# Altium PCB ROS-Robot-Controller焊接.PcbDoc (part 2 of 2)
Units mil, origin at the board's own origin, x right, y up, seen from the top; angles counter-clockwise.
Board outline 1972.2 x 2530.91 mil, 2 copper layers (Top Layer, Bottom Layer); 82 components, 85 nets, 425 pads, 289 vias.
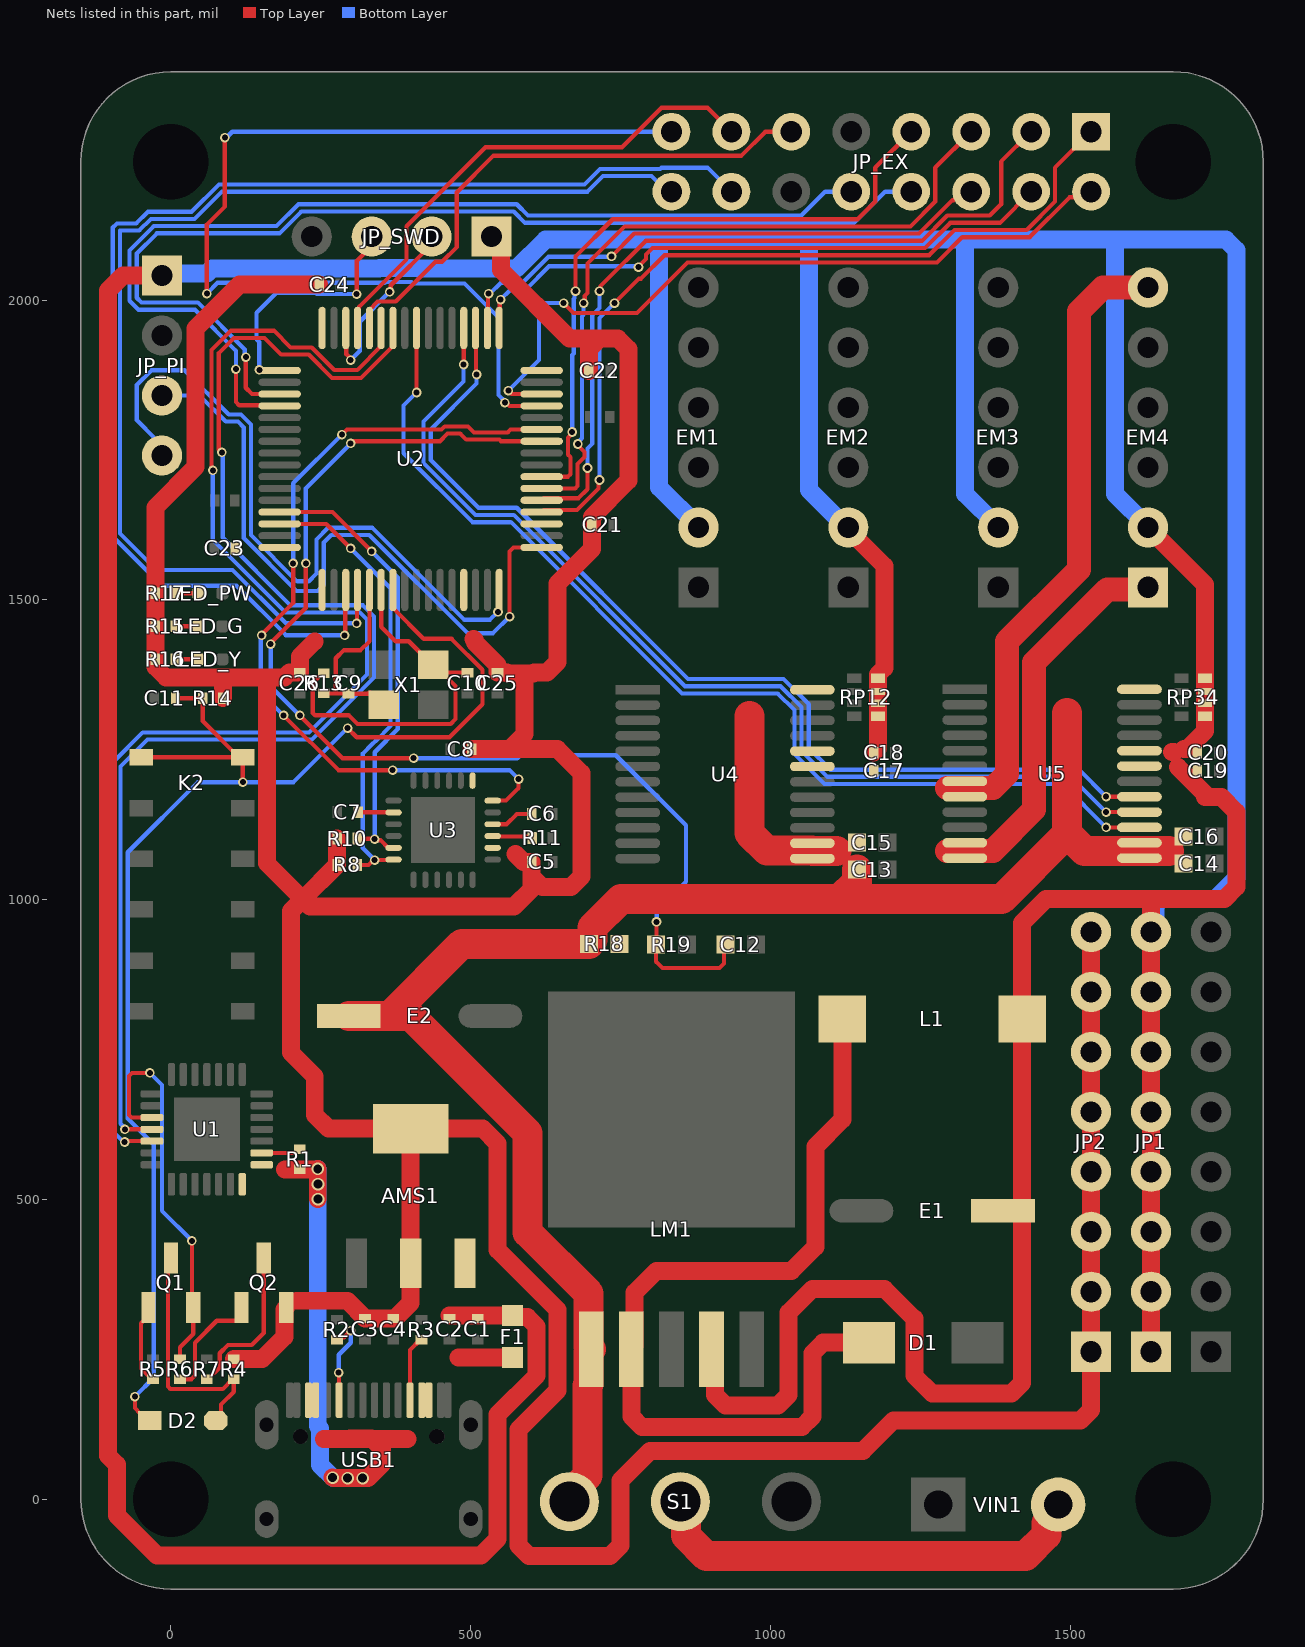
[diagram p2: the nets of this part, all layers, seen from the top]

## Via types
v1: diameter 16, hole 10, Top Layer to Bottom Layer, tented both sides, 181 vias
v2: diameter 24, hole 12, Top Layer to Bottom Layer, tented both sides, 102 vias
v3: diameter 21, hole 15, Top Layer to Bottom Layer, tented both sides, 6 vias

## Nets (pads, with @x,y where several pads share a name; then routed paths per layer and width w, separated by ;. In a path a pad name is that pad's centre, name@x,y a point inside that pad or via, vN(x,y) a via of type N, cw(c..) or ccw(c..) an arc to the next point about the centre after c; other vN are vias at no path point) (continued)
M4IN1: U2.35 U5.17 | length 1710.2
  Top Layer w7: U2.35@508.27,1953.5 509.13,1952.64 509.13,1876.77 v1(510,1875.91) ; v1(1560,1171.61) U5.17@1615.67,1171.61
  Bottom Layer w7: v1(510,1875.91) 510,1860.91 433.5,1784.41 433.5,1733.38 513.28,1653.6 577.02,1653.6 862.7,1367.91 1022.09,1367.91 1064,1325.99 1064,1252.88 1100.09,1216.8 1514.82,1216.8 v1(1560,1171.61)
M4IN2: U2.36 U5.16 | length 1731.1
  Top Layer w7: v1(488.33,1892.57) 488.58,1892.82 U2.36@488.58,1953.5 ; v1(1560,1146.02) U5.16@1615.67,1146.02
  Bottom Layer w7: v1(488.33,1892.57) 488.33,1864.24 421.5,1797.41 421.5,1728.41 508.31,1641.6 572.04,1641.6 857.73,1355.91 1017.12,1355.91 1052,1321.02 1052,1247.91 1095.12,1204.8 1501.23,1204.8 v1(1560,1146.02)
M4OUT1: EM4.1 U5.11 U5.12 | length 660.7
  Top Layer w40: 1295,1080.91 1324.33,1080.91 1324.8,1081.38 1370.97,1081.38 1440,1150.41 1440,1395.21 1561.95,1517.17 1626.26,1517.17 EM4.1@1630,1520.91
M4OUT2: EM4.6 U5.7 U5.8 | length 1062.5
  Top Layer w40: 1295,1185.91 1371.57,1185.91 1395,1209.34 1395,1430.91 1515,1550.91 1515,1980.91 1555,2020.91 EM4.6@1630,2020.91
M4PWM: U2.40 U5.15 | length 1746.7
  Top Layer w7: U2.40@409.84,1953.5 409.92,1953.43 409.92,1845.98 v1(410,1845.91) ; v1(1560,1120.43) U5.15@1615.67,1120.43
  Bottom Layer w7: v1(410,1845.91) 388.28,1824.19 388.28,1744.66 503.34,1629.6 567.07,1629.6 852.76,1343.91 1012.15,1343.91 1040,1316.05 1040,1242.94 1090.15,1192.8 1487.64,1192.8 v1(1560,1120.43)
MPU6050_INT: U2.27 U3.12 | length 1388.2
  Top Layer w7: v1(151.5,1440.91) 151.5,1442.41 204,1494.91 v1(204,1560.91) ; v1(188,1307.41) 279.5,1215.91 v1(370,1215.91) ; v1(285.15,1775.75) 293.61,1784.21 451.5,1784.21 456.69,1789.41 495.59,1789.41 505.59,1779.41 561.83,1779.41 566.64,1784.21 U2.27@618.5,1784.21 ; U3.12@536.77,1165.12 559.21,1165.12 580,1185.91 v1(580,1200.91)
  Bottom Layer w7: v1(151.5,1440.91) 150,1439.41 150,1345.41 v1(188,1307.41) ; v1(204,1560.91) 204,1694.6 v1(285.15,1775.75) ; v1(370,1215.91) 565,1215.91 v1(580,1200.91)
MPU6050_SCL: R10.1 U2.61 U3.23 | length 761.7
  Top Layer w7: U2.61@181.5,1646.42 269.49,1646.42 v1(335,1580.91) ; R10.1@310.75,1101.93 311.26,1101.42 339.49,1101.42 341.72,1099.18 349.75,1099.18 362.56,1086.38 U3.23@371.42,1086.38
  Bottom Layer w7: v1(335,1580.91) 378.51,1537.39 378.51,1284.42 340,1245.91 v1(340,1100.91)
MPU6050_SDA: R8.1 U2.62 U3.24 | length 775.2
  Top Layer w7: U2.62@181.5,1626.73 259.17,1626.73 v1(300,1585.91) ; R8.1@310.75,1057.95 329.61,1057.95 337.56,1065.91 v1(340,1065.91) 340.39,1066.3 371.02,1066.3 U3.24@371.42,1066.69
  Bottom Layer w7: v1(300,1585.91) 366.51,1519.39 366.51,1289.39 342.03,1264.91 341.29,1264.91 335,1258.61 320.23,1243.84 320.23,1225.92 320,1225.69 320,1085.91 v1(340,1065.91)
NetC6_2: C6.2 U3.10 | length 72.3
  Top Layer w7: U3.10@536.77,1125.75 559.84,1125.75 577.05,1142.95 C6.2@601.93,1142.95
NetC7_1: C7.1 U3.20 | length 58.9
  Top Layer w7: C7.1@312.72,1145.9 312.95,1145.67 371.18,1145.67 U3.20@371.42,1145.43
NetD1_2: D1.2 L1.1 LM1.2 | length 1464.9
  Top Layer w30: L1.1@1120,800.91 1120,633.41 1075,588.41 1075,420.91 1035,380.91 810,380.91 773.74,344.64 773.74,255.67 LM1.2@768.07,250 768.07,137.57 785.64,120 1052.43,120 1070,137.57 1070,243.33 1087.57,260.91 D1.2@1164.45,260.91
NetD2_2: D2.2 Q1.3 R4.2 | length 416.5
  Top Layer w7: Q1.3@0,402.24 -5,397.24 -5,187.8 -0.9,183.7 86.66,183.7 103.03,200.08 R4.2@105,200.08 105,179.19 83.43,157.62 83.43,139.22 D2.2@75.12,130.91
NetLED_G_1: LED_G.1 R15.1 | length 38.3
  Top Layer w7: R15.1@7.56,1455.91 LED_G.1@45.83,1455.91
NetLED_PW_1: LED_PW.1 R17.1 | length 38.3
  Top Layer w7: R17.1@7.56,1510.91 LED_PW.1@45.83,1510.91
NetLED_Y_1: LED_Y.1 R16.1 | length 38.3
  Top Layer w7: R16.1@7.56,1400.91 LED_Y.1@45.83,1400.91
NetQ1_1: Q1.1 R5.2 | length 134.3
  Top Layer w7: Q1.1@-37.4,319.57 -37.4,305.79 -45.71,297.48 -45.9,297.48 -50,293.37 -50,218.11 -31.97,200.08 R5.2@-30,200.08
NetQ2_1: Q2.1 R6.2 | length 192.4
  Top Layer w7: R6.2@15,200.08 34.17,200.08 40,205.91 40,260.91 76.57,297.48 109.29,297.48 117.6,305.79 Q2.1@117.6,319.57
NetQ2_3: Q2.3 R7.1 | length 265.9
  Top Layer w7: R7.1@60,200.08 61.97,200.08 81.5,219.61 81.5,243.28 95.27,257.04 135,257.04 155,277.04 Q2.3@155,402.24
NetR1_1: R1.1 U1.9 | length 66
  Top Layer w7: U1.9@151.5,577.44 206.93,577.44 213.03,583.54 R1.1@215,583.54
NetR2_2: R2.2 USB1.A5 | length 153.6
  Top Layer w7: R2.2@277,265.91 281.26,270.17 289.26,270.17 v1(300,280.91) ; v1(280,210.91) 280.39,210.51 280.39,165.51 USB1.A5@280.79,165.12
  Bottom Layer w7: v1(280,210.91) 280,240.91 300,260.91 v1(300,280.91)
NetR3_2: R3.2 USB1.B5 | length 109.9
  Top Layer w7: USB1.B5@398.9,165.12 398.9,248.77 416.04,265.91 R3.2@418.01,265.91
NetR11_2: R11.2 U3.9 | length 67.4
  Top Layer w7: U3.9@536.77,1106.06 537.32,1105.52 600.34,1105.52 R11.2@602.91,1102.95
NetS1_2: S1.2 VIN1.2 | length 746.5
  Top Layer w50: S1.2@849.96,-4.09 859.23,-13.28 859.23,-60.93 893.3,-95 1425.42,-95 1460.62,-59.8 1460.62,-39.45 1485,-15.07 VIN1.2@1485,-14.09
OSCIN: C9.1 R13.2 U2.5 X1.3 | length 348.3
  Top Layer w7: R13.2@260,1344.17 260.36,1343.82 275,1343.82 278.17,1343.82 ; X1.3@330.78,1345.12 332.91,1345.12 333.5,1344.53 X1.3@333.5,1343.46 ; U2.5@331.1,1516.5 331.1,1430.88 316.34,1416.12 288.55,1416.12 275,1402.57 275,1346.99 278.17,1343.82 ; X1.3@355,1325 X1.3@353.03,1325 ; 278.17,1343.82 295.98,1343.82 C9.1@296.34,1343.46 X1.3@333.5,1343.46 ; X1.3@333.5,1343.46 333.5,1342.4 350.91,1325 X1.3@353.03,1325 ; X1.3@333.5,1343.46 334.57,1343.46 X1.3@353.03,1325
OSCOUT: C10.1 R13.1 U2.6 X1.1 | length 648.3
  Top Layer w7: R13.1@255,1377.64 253.03,1377.64 236.66,1361.26 236.66,1311.51 240.76,1307.41 296.83,1307.41 311.36,1292.88 466.79,1292.88 475,1301.09 475,1356.58 X1.1@452.95,1378.62 ; U2.6@350.79,1516.5 350.79,1455.12 375,1430.91 396.73,1430.91 435.71,1391.93 439.65,1391.93 X1.1@452.95,1378.62 ; C10.1@495,1378.62 X1.1@452.95,1378.62
PA4: JP_EX.1 U2.20 | length 1377.9
  Top Layer w7: U2.20@618.5,1646.42 622,1649.92 677.32,1649.92 713.28,1685.88 713.28,1698.28 v1(715,1700) ; v1(740,1995) 780.8,2035.8 784.13,2035.8 823.21,2074.87 1264.87,2074.87 1306.91,2116.91 1427.57,2116.91 1475,2164.34 1475,2220.9 JP_EX.1@1535,2280.91
  Bottom Layer w7: v1(715,1700) 715,1970 v1(740,1995)
PA5: JP_EX.3 U2.21 | length 1298.4
  Top Layer w7: U2.21@618.5,1666.1 622,1669.6 680.03,1669.6 695,1684.57 v1(695,1720) ; v1(715,2015) 716.72,2016.72 716.72,2023.39 724.31,2030.98 792.2,2098.87 1252.97,2098.87 1295,2140.91 1365.91,2140.91 1385,2160 1385,2230.91 JP_EX.3@1435,2280.91
  Bottom Layer w7: v1(695,1720) 695,1752.73 703,1760.73 703,1974.97 715,1986.97 v1(715,2015)
PA6: JP_EX.5 U2.22 | length 1213
  Top Layer w7: U2.22@618.5,1685.79 674.4,1685.79 678.5,1689.89 678.5,1726.83 690,1738.33 690,1746.5 678.94,1757.56 v1(678.94,1760) ; v1(688.5,1995) 690.22,1996.72 690.22,2006.89 695,2011.67 695,2060.91 756.97,2122.87 1233.53,2122.87 1275,2164.34 1275,2220.9 JP_EX.5@1335,2280.91
  Bottom Layer w7: v1(678.94,1760) 678.94,1762.44 686,1769.5 686,1973 688.5,1975.5 v1(688.5,1995)
PA7: JP_EX.7 U2.23 | length 1099.2
  Top Layer w7: U2.23@618.5,1705.47 662.4,1705.47 666.5,1709.57 666.5,1738.01 662.44,1742.07 662.44,1770.5 669.5,1777.56 v1(669.5,1780) ; v1(675,2015) 675,2072.88 736.99,2134.87 1145.53,2134.87 1175,2164.34 1175,2220.9 JP_EX.7@1235,2280.91
  Bottom Layer w7: v1(669.5,1780) 669.5,1908.38 672,1910.88 672,2001.83 673.28,2003.11 673.28,2013.28 v1(675,2015)
PA11: JP_EX.11 U2.44 | length 910.7
  Top Layer w7: U2.44@331.1,1953.5 331.1,1983.72 344.82,1997.44 375.04,1997.44 441.54,2063.94 452.38,2063.94 476.96,2088.52 476.96,2179.84 538.03,2240.91 951.57,2240.91 991.56,2280.91 JP_EX.11@1035,2280.91
PA12: JP_EX.13 U2.45 | length 844
  Top Layer w7: U2.45@311.42,1953.5 311.42,1984.33 313.82,1986.74 313.82,1988.82 393.04,2068.04 393.04,2123.29 417.62,2147.87 524.75,2255 752.53,2255 818.43,2320.9 895,2320.9 JP_EX.13@935,2280.91
PB10: JP_EX.15 U2.29 | length 1751
  Top Layer w7: v1(60,2010.91) 60,2125.91 90,2155.91 v1(90,2270.91) ; v1(557,1828.91) 559.44,1828.91 564.76,1823.58 U2.29@618.5,1823.58
  Bottom Layer w7: v1(60,2010.91) 78.04,2028.94 356.67,2028.94 358.17,2030.44 401.62,2030.44 404.15,2027.92 489.65,2027.92 546.5,1971.07 546.5,1841.84 557,1831.34 v1(557,1828.91) ; v1(90,2270.91) 92.44,2270.91 102.44,2280.91 JP_EX.15@835,2280.91
PB11: JP_EX.2 U2.30 | length 1231.2
  Top Layer w7: v1(563.1,1849) 563.1,1848.07 567.9,1843.27 U2.30@618.5,1843.27 ; v1(655,1995) 671.5,1978.5 777.59,1978.5 811.66,2012.56 861.97,2062.87 1277.87,2062.87 1319.91,2104.91 1432.54,2104.91 1499.07,2171.44 1525.54,2171.44 JP_EX.2@1535,2180.91
  Bottom Layer w7: v1(563.1,1849) 614.05,1899.95 614.05,1984.95 624.09,1995 v1(655,1995)
PB12: JP_EX.4 U2.33 | length 1014
  Top Layer w7: U2.33@547.64,1953.5 548.56,1954.42 548.56,1999.46 v1(550,2000.91) ; v1(780,2055) 780,2055.9 792.63,2068.53 792.63,2075.96 803.54,2086.87 1257.94,2086.87 1299.97,2128.91 1383,2128.91 JP_EX.4@1435,2180.91
  Bottom Layer w7: v1(550,2000.91) 566.04,2016.94 591.45,2016.94 630.92,2056.41 778.59,2056.41 v1(780,2055)
PB13: JP_EX.6 U2.34 | length 933.7
  Top Layer w7: U2.34@527.95,1953.5 528.87,1954.42 528.87,2009.78 v1(530,2010.91) ; v1(735,2072.91) 772.96,2110.87 1247.99,2110.87 1303.82,2166.7 1305.64,2166.7 1319.85,2180.91 JP_EX.6@1335,2180.91
  Bottom Layer w7: v1(530,2010.91) 532.44,2010.91 550.47,2028.94 586.48,2028.94 629.95,2072.41 734.5,2072.41 v1(735,2072.91)
PC10: JP_EX.8 U2.51 | length 1765.7
  Top Layer w7: v1(125,1905) 125,1853.83 135.56,1843.27 U2.51@181.5,1843.27
  Bottom Layer w7: v1(125,1905) 123.28,1906.72 123.28,1917.6 44.97,1995.91 -48.95,1995.91 -56.96,2003.92 -56.96,2077.89 -23.44,2111.41 181.16,2111.41 217.62,2147.87 571.99,2147.87 590.95,2128.91 1139.57,2128.91 1191.56,2180.91 JP_EX.8@1235,2180.91
PC11: JP_EX.10 U2.52 | length 1717.3
  Top Layer w7: v1(108.5,1885) 108.5,1830.1 114.1,1824.5 180.58,1824.5 U2.52@181.5,1823.58
  Bottom Layer w7: v1(108.5,1885) 108.5,1915.41 40,1983.91 -53.92,1983.91 -68.96,1998.95 -68.96,2082.86 -28.41,2123.41 176.19,2123.41 212.65,2159.87 576.96,2159.87 595.92,2140.91 1051.57,2140.91 1091.56,2180.91 JP_EX.10@1135,2180.91
PC14: JP_EX.14 U2.3 | length 2136.6
  Top Layer w7: v1(290,1440.91) 290.87,1441.77 290.87,1515.63 U2.3@291.73,1516.5
  Bottom Layer w7: v1(290,1440.91) 289.78,1441.13 191.73,1441.13 109.33,1523.53 -14.6,1523.53 -97,1605.94 -97,2120.88 -89.97,2127.91 -57.86,2127.91 -38.35,2147.41 34.58,2147.41 80.08,2192.91 690.03,2192.91 716.03,2218.91 816.44,2218.91 818.43,2220.9 895,2220.9 JP_EX.14@935,2180.91
PC15: JP_EX.16 U2.4 | length 1986.8
  Top Layer w7: v1(310,1460.91) 310.71,1461.61 310.71,1515.79 U2.4@311.42,1516.5
  Bottom Layer w7: v1(310,1460.91) 192.12,1460.91 103.03,1550 -24.09,1550 -85,1610.91 -85,2115.91 -52.89,2115.91 -33.38,2135.41 39.55,2135.41 85.05,2180.91 695,2180.91 721,2206.91 801.61,2206.91 827.61,2180.91 JP_EX.16@835,2180.91
RESET: C11.2 D2.1 K2.1 K2.2 R14.1 U2.7 | length 2351.8
  Top Layer w7: v1(-60,170.91) -60,151.85 -51.3,143.15 -39.06,130.91 D2.1@-35.12,130.91 ; K2.1@-49.64,1237.32 K2.2@113.74,1237.32 ; C11.2@7.71,1335.9 R14.1@53.27,1335.91 53.27,1297.8 K2.2@113.74,1237.32 ; K2.2@119.65,1229.74 120.48,1229.74 120,1229.27 v1(120,1195.91) ; K2.2@119.65,1237.32 K2.2@113.74,1237.32 ; v1(294.75,1286.15) 310,1270.91 465,1270.91 520,1325.91 520,1383.36 468.36,1435 421.75,1435 370.47,1486.28 U2.7@370.47,1516.5
  Bottom Layer w7: v1(-60,170.91) -28.5,202.41 -28.5,591.62 -71.95,635.07 -71.95,1078.96 45,1195.91 v1(120,1195.91) 204.5,1195.91 v1(294.75,1286.15)
RTS: Q1.2 R6.1 U1.24 | length 659
  Top Layer w7: v1(-35,710.91) -65,710.91 -70,705.91 -70,640.91 -65.59,636.5 U1.24@-31.5,636.5 ; R6.1@15,233.54 15,253.33 37.4,275.73 Q1.2@37.4,319.57 35,321.97 v1(35,430.91)
  Bottom Layer w7: v1(-35,710.91) -15,690.91 -15,480.91 v1(35,430.91)
SWCLK: JP_SWD.3 U2.49 | length 419.8
  Top Layer w7: v1(147.45,1883.56) 148.37,1882.64 U2.49@181.5,1882.64 ; v1(310,2010) 310,2065.29 335,2090.29 JP_SWD.3@335,2105.91
  Bottom Layer w7: v1(147.45,1883.56) 147.45,1930.22 143,1934.67 143,1978.91 176.54,2012.44 240.83,2012.44 243.27,2010 v1(310,2010)
SWDIO: JP_SWD.2 U2.46 | length 318.8
  Top Layer w7: U2.46@291.73,1953.5 292.65,1952.58 292.65,1909.78 300,1902.44 v1(300,1900) ; v1(365,2013.94) 366.72,2015.66 366.72,2024.75 435,2093.03 JP_SWD.2@435,2105.91
  Bottom Layer w7: v1(300,1900) 315,1915 315,1963.94 v1(365,2013.94)
USART1_RX_DEBUG: U1.26 U2.43 | length 2274.1
  Top Layer w7: v1(-77,595.67) -75.55,597.13 U1.26@-31.5,597.13 U1.26@-21.5,597.13 ; v1(70,1715.91) 68,1717.91 68,1905.88 68,1916.94 100.06,1949 111.12,1949 171.91,1949 199.86,1921.04 234.92,1921.04 272.47,1883.5 311,1883.5 350.79,1923.29 U2.43@350.79,1953.5
  Bottom Layer w7: v1(-77,595.67) -79.22,595.67 -95.95,612.4 -95.95,1229.96 -47,1278.91 230.23,1278.91 327,1375.68 327,1467.24 315.33,1478.91 191.09,1478.91 70,1600 v1(70,1715.91)
USART1_TX_DEBUG: U1.25 U2.42 | length 2248.3
  Top Layer w7: v1(-76.88,616.67) -76.75,616.81 U1.25@-31.5,616.81 U1.25@-21.5,616.81 ; v1(85,1745.91) 80,1750.91 80,1900.91 80,1911.97 105.03,1937 116.09,1937 156.07,1937 184.02,1909.04 229.95,1909.04 269,1870 317.18,1870 370.47,1923.29 U2.42@370.47,1953.5
  Bottom Layer w7: v1(-76.88,616.67) -76.88,619.11 -83.95,626.17 -83.95,1221.96 -39,1266.91 235.2,1266.91 339,1370.71 339,1472.21 320.3,1490.91 199.75,1490.91 86.5,1604.16 86.5,1744.41 v1(85,1745.91)
USART2_RX_PI: JP_PI.3 U2.17 | length 1147.8
  Top Layer w7: v1(565,1471.91) 565,1580.91 571.46,1587.36 U2.17@618.5,1587.36
  Bottom Layer w7: JP_PI.3@-15,1840.91 48.03,1840.91 91.53,1797.41 111.83,1797.41 121.5,1787.74 121.5,1603.1 209.69,1514.91 244.76,1514.91 255,1525.14 255,1595.91 267.5,1608.41 330.83,1608.41 494.78,1444.46 537.55,1444.46 v1(565,1471.91)
USART2_TX_PI: JP_PI.4 U2.16 | length 1178.2
  Top Layer w7: v1(545.61,1479.97) 546.72,1481.08 546.72,1515.58 U2.16@547.64,1516.5
  Bottom Layer w7: JP_PI.4@-15,1740.91 -26.47,1752.37 -26.47,1769.37 -56.96,1799.87 -56.96,1858.29 -32.38,1882.87 23.03,1882.87 96.5,1809.41 116.81,1809.41 133.5,1792.71 133.5,1608.07 210.67,1530.91 230,1530.91 243,1543.91 243,1600.88 262.53,1620.41 335.8,1620.41 489.25,1466.96 532.46,1466.96 545.48,1479.97 v1(545.61,1479.97)
USB_5V: F1.1 R1.2 U1.7 U1.8 USB1.A4 USB1.A9 USB1.B4 USB1.B9 | length 1089.8
  Top Layer w30: 190,550.08 244.17,550.08 v3(245,550.91) v3@245,500.41 ; 255,100 395,100 ; v3(270,35.91) 270.91,35 v3(320,35) 329.09,35 352.57,58.48 352.57,83.33 335,100.91 299.17,100.91 ; 480,235.91 F1.1@570,235.91
  Bottom Layer w30: v3(245,550.91) 245,122.09 249.02,118.07 249.02,56.89 270.91,35 v3(320,35)
  other v3: 295,35 245.41,500.41 245.41,525.41
VCC3V3: AMS1.2 AMS1.4 C3.2 C4.2 C5.2 C8.1 C21.2 C22.2 C23.2 C24.2 C25.2 C26.2 JP2.1 JP2.2 JP2.3 JP2.4 JP2.5 JP2.6 JP2.7 JP2.8 JP_SWD.1 Q2.2 R4.1 R8.2 R10.2 R14.2 R15.2 R16.2 R17.2 U2.1 U2.13 U2.19 U2.32 U2.48 U2.64 U3.8 U3.13 | length 8656.9
  Top Layer w30: R14.2@86.73,1335.91 86.73,1367.64 90,1370.91 ; R4.1@105,233.54 152.43,233.54 189.21,270.33 189.21,316.38 Q2.2@192.4,319.57 ; 169.6,1370.91 160,1370.91 ; 170.14,1370.91 189.86,1370.91 197.57,1378.62 C26.2@215,1378.62 215,1405.91 240,1430.91 ; 209.98,330.91 294.43,330.91 C3.2@324,301.34 C4.2@371,301.34 373.96,301.34 400,327.37 AMS1.2@400,393.7 AMS1.4@400,618.11 ; C24.2@247.29,2025.91 114.6,2025.91 41.29,1952.59 41.29,1721.58 -25.91,1654.39 R17.2@-25.91,1510.91 R15.2@-25.91,1455.91 R16.2@-25.91,1400.91 -25.91,1388.37 -8.44,1370.91 90,1370.91 ; R10.2@277.29,1101.93 R8.2@277.29,1057.95 220,1000.66 ; C8.1@501.81,1250.9 565,1250.9 ; 505.19,1434.6 507.5,1432.3 507.5,1429.1 545,1391.59 C25.2@545,1378.62 560.72,1378.62 561.93,1377.41 604.73,1377.41 605.95,1378.62 627.43,1378.62 645,1396.19 645,1527.47 702.29,1584.76 C21.2@702.29,1625 702.29,1638.19 763,1698.91 763,1918.33 745.43,1935.91 665,1935.91 550.28,2050.62 550.28,2090.62 JP_SWD.1@535,2105.91 ; 573.64,1377.41 590,1361.04 590,1275.91 565,1250.9 ; 575,1075.91 587.95,1062.95 C5.2@601.93,1062.95 601.93,1038.48 ; C22.2@697.29,1881.81 697.29,1918.33 714.86,1935.91 ; JP2.8@1535,945.91 JP2.7@1535,845.91 JP2.6@1535,745.91 JP2.5@1535,645.91 JP2.4@1535,545.91 JP2.3@1535,445.91 JP2.2@1535,345.91 JP2.1@1535,245.91 1535,148.48 1517.43,130.91 1205,130.91 1154.09,80 799.09,80 750,30.91 750,-77.43 732.43,-95 597.57,-95 580,-77.43 580,115.91 645,180.91 645,315.91 545,415.91 545,593.33 520.22,618.11 AMS1.4@400,618.11 ; 90,1370.91 160,1370.91 ; 160,1370.91 160,1060.66 220,1000.66 ; 220,1000.66 232.25,988.41 572.51,988.41 601.93,1017.83 601.93,1038.48 ; 220,1000.66 200.32,980.98 200.32,908.85 200,908.53 200,745 240,705 240,640.91 262.8,618.11 AMS1.4@400,618.11 ; 565,1250.9 645,1250.9 685,1210.9 685,1038.48 667.43,1020.91 619.5,1020.91 612.25,1028.16 601.93,1038.48
  Bottom Layer w30: JP2.1@1535,245.91 JP2.2@1535,345.91 JP2.3@1535,445.91 JP2.4@1535,545.91 JP2.5@1535,645.91 JP2.6@1535,745.91 JP2.7@1535,845.91 JP2.8@1535,945.91
VCC5V: AMS1.3 C1.2 C2.2 C17.1 C18.2 C19.1 C20.2 E1.1 EM1.2 EM2.2 EM3.2 EM4.2 F1.2 JP1.1 JP1.2 JP1.3 JP1.4 JP1.5 JP1.6 JP1.7 JP1.8 JP_PI.1 L1.2 LM1.4 RP12.5 RP12.6 RP12.7 RP12.8 RP34.5 RP34.6 RP34.7 RP34.8 U4.19 U4.20 U5.19 U5.20 | length 13048.8
  Top Layer w30: JP_PI.1@-15,2040.91 -80,2040.91 -105,2015.91 -105,72.37 -90,57.37 -90,-27.37 -23.27,-94.09 517.43,-94.09 545,-66.52 545,140.91 610,205.91 610,288.33 594.93,303.41 572.5,303.41 F1.2@570,305.91 569.57,306.34 512,306.34 C2.2@465,306.34 ; LM1.4@901.93,250 907.6,244.33 907.6,184.43 907.6,173.48 925.17,155.91 1012.43,155.91 1030,173.48 1030,310.91 1070,350.91 1190,350.91 1240,300.91 1240,205.91 1270,175.91 1402.43,175.91 1420,193.48 1420,480.91 L1.2@1420,800.91 1420,960.91 1460,1000.91 1635,1000.91 ; EM2.2@1130,1620.91 1130,1616.87 1190,1556.87 1190,1386.47 1179.37,1375.84 RP12.7@1179.37,1347.24 RP12.6@1179.37,1327.56 1179.37,1252.09 C18.2@1172.29,1245 ; EM4.2@1630,1620.91 1725,1525.91 RP34.8@1725,1368.9 RP34.7@1725,1347.24 RP34.6@1725,1327.56 RP34.5@1725,1305.91 1725,1280.91 1695,1250.91 1690,1250.91 ; JP1.1@1635,245.91 JP1.2@1635,345.91 JP1.3@1635,445.91 JP1.4@1635,545.91 JP1.5@1635,645.91 JP1.6@1635,745.91 JP1.7@1635,845.91 JP1.8@1635,945.91 1635,1000.91 ; 1670,1245.91 1673.6,1245.91 ; 1680,1220.91 1699.09,1201.81 1725,1175.91 1725,1170.91 1752.43,1170.91 1777.2,1146.13 1777.2,1020.91 1757.2,1000.91 1635,1000.91
  Bottom Layer w30: JP_PI.1@-15,2040.91 -11.5,2044.41 60.27,2044.41 68.3,2052.44 346.94,2052.44 348.43,2053.94 411.36,2053.94 412.85,2052.44 576.75,2052.44 625.21,2100.91 814.54,2100.91 ; EM1.2@880,1620.91 880,1622.16 814.54,1687.62 814.54,2100.91 ; EM2.2@1130,1620.91 1126.77,1620.91 1064.54,1683.14 1064.54,2100.91 ; EM3.2@1380,1620.91 1380,1621.87 1325,1676.87 1325,2100.91 ; EM4.2@1630,1620.91 1630,1621.87 1575,1676.87 1575,2100.91 ; JP1.1@1635,245.91 JP1.2@1635,345.91 JP1.3@1635,445.91 JP1.4@1635,545.91 JP1.5@1635,645.91 JP1.6@1635,745.91 JP1.7@1635,845.91 JP1.8@1635,945.91 1642.07,952.97 1642.07,990.4 1652.57,1000.91 1742.2,1000.91 1777.2,1035.91 1777.2,2083.33 1759.63,2100.91 1575,2100.91 ; 814.54,2100.91 1064.54,2100.91 ; 1064.54,2100.91 1325,2100.91 ; 1325,2100.91 1575,2100.91
VCC12V: C13.2 C14.2 C15.2 C16.2 E2.1 LM1.1 R18.2 S1.3 U4.13 U4.14 U4.24 U5.13 U5.14 U5.24 | length 3100.1
  Top Layer w50: E2.1@296.89,805.91 365,805.91 ; S1.3@667.14,5.91 667.14,11.23 695,39.09 695,189.43 696.81,191.24 696.81,245.67 LM1.1@701.14,250 696.81,254.33 696.81,343.21 595,445.01 595,610.91 400,805.91 365,805.91 ; R18.2@690,926.23 485.33,926.23 365,805.91 ; R18.2@697.1,926.23 703.28,932.41 703.28,953.66 750.53,1000.91 1115.12,1000.91 ; 965,1306.21 965,1110.98 994.26,1081.72 1069.18,1081.72 1070,1080.91 1110,1080.91 ; C13.2@1144.41,1050 1144.41,1030.19 1115.12,1000.91 ; 1495,1310.91 1495,1110.2 ; 1665,1080.91 1524.29,1080.91 1495,1110.2 ; 1115.12,1000.91 1385.71,1000.91 1495,1110.2
VIN_ADC: C12.2 R18.1 R19.2 U2.26 | length 1985
  Top Layer w7: v1(166.5,1426.06) 166.5,1427.71 225,1486.21 v1(225,1560.91) ; v1(215,1307.41) 286.5,1235.91 v1(405,1235.91) ; v1(300,1760.91) 303.62,1764.53 448.79,1764.53 461.67,1777.41 482.59,1777.41 492.59,1767.41 547.97,1767.41 550.84,1764.53 U2.26@618.5,1764.53 ; v1(810,962.91) 810,925.59 R19.2@809.41,925 809.41,896.49 820,885.91 915,885.91 922.7,893.6 922.7,922.7 C12.2@925,925
  Bottom Layer w7: v1(166.5,1426.06) 166.5,1355.91 v1(215,1307.41) ; v1(225,1560.91) 225,1685.91 v1(300,1760.91) ; v1(405,1235.91) 577.73,1235.91 582.73,1240.91 742.12,1240.91 859.01,1124.01 859.01,1029.92 810.5,981.41 810.5,963.41 v1(810,962.91)
pads on no net: S1.1 U1.1 U1.2 U1.6 U1.10 U1.11 U1.12 U1.13 U1.14 U1.15 U1.16 U1.17 U1.18 U1.19 U1.20 U1.21 U1.22 U1.23 U1.27 U3. U3.2 U3.3 U3.4 U3.5 U3.6 U3.7 U3.14 U3.15 U3.16 U3.17 U3.19 U3.21 U3.22 USB1.0 USB1.A8 USB1.B8

## Polygon pours and split planes (outlines as drawn)
VCC12V on Top Layer "VCC12V_L01_P003" (solid, remove dead copper, pour order 3): 1110,1340.91 995,1340.91 990,1335.91 990,1285.91 940,1285.91 945,1350 962.2,1370.91 1110,1370.91
M3OUT2 on Top Layer "M3OUT2_L01_P025" (solid, remove dead copper, pour order 25): 1291.4,1260.84 1369.5,1260.46 1370.61,1215.07 1284.88,1214.48 1245,1250 1270,1280
M3OUT1 on Top Layer "M3OUT1_L01_P024" (solid, remove dead copper, pour order 24): 1360,1360 1360,1315 1281.68,1315 1281.68,1360.41 1281.93,1360.41 1285,1405 1325,1405 1335,1365
GND on Top Layer "GND_L01_P023" (solid, remove dead copper, pour order 23): 1910,2475 1910,-245 -245,-245 -245,2475
VCC3V3 on Top Layer "VCC3V3_L01_P021" (solid, remove dead copper, pour order 21): 498.78,1186.81 495,1240.91 495,1260.91 508.78,1260.91 508.78,1211.81 508.78,1186.81
VCC3V3 on Top Layer "VCC3V3_L01_P020" (solid, remove dead copper, pour order 20): 525,1090.91 580,1090.91 590,1080.91 570,1060.91 550,1080.91 525,1080.91
VCC3V3 on Top Layer "VCC3V3_L01_P019" (solid, remove dead copper, pour order 19): 261.58,1595.91 261.44,1482.28 255,1430.91 215,1425.91 230,1450.84 243.78,1480.91 243.78,1595.91
VCC3V3 on Top Layer "VCC3V3_L01_P014" (solid, remove dead copper, pour order 14): 585,1635.91 715,1635.91 715,1615.91 665,1615.91 585,1615.91
VCC3V3 on Top Layer "VCC3V3_L01_P018" (solid, remove dead copper, pour order 18): 497.75,1555.91 497.66,1482.28 520,1440.91 495,1430.91 480,1449.24 480,1555.91
VCC3V3 on Top Layer "VCC3V3_L01_P017" (solid, remove dead copper, pour order 17): 260,1575.91 95,1575.91 95,1595.91 135,1595.91 260,1595.91
VCC3V3 on Top Layer "VCC3V3_L01_P016" (solid, remove dead copper, pour order 16): 240,1915.91 240,2040.91 260,2040.91 260,1915.91
VCC3V3 on Top Layer "VCC3V3_L01_P015" (solid, remove dead copper, pour order 15): 585,1891.81 715,1891.81 715,1871.81 665,1871.81 585,1871.81
VIN_ADC on Top Layer "VIN_ADC_L01_P013" (solid, remove dead copper, pour order 13): 730,945.91 830,945.91 830,905.91 730,905.91
USB_5V on Top Layer "USB_5V_L01_P012" (solid, remove dead copper, pour order 12): 415,195.91 435,195.91 435,135.91 425,115.91 410,85.91 370,85.91 370,115.91 399.55,121.81 415,133.41
USB_5V on Top Layer "USB_5V_L01_P011" (solid, remove dead copper, pour order 11): 225,195.91 225,135.91 235,115.91 245,85.91 305,85.91 305,115.91 265,115.91 250,125.91 245,135.91 245,195.91
VCC5V on Top Layer "VCC5V_L01_P010" (solid, remove dead copper, pour order 10): 515,435.91 515,345.91 540,320.91 540,290.91 450,290.91 450,330.91 470,350.91 470,435.91
USB_5V on Top Layer "USB_5V_L01_P009" (solid, remove dead copper, pour order 9): 435,155.91 415,155.91 415,235.91 430,250.91 500,250.91 500,220.91 435,220.91
USB_5V on Top Layer "USB_5V_L01_P008" (solid, remove dead copper, pour order 8): 130,565.91 220,565.91 220,540.91 150,540.91 134.81,531.1 130.69,505.93 110,506.29 110,550.91
VCC5V on Top Layer "VCC5V_L01_P007" (solid, remove dead copper, pour order 7): 1575.67,1256.61 1660.67,1256.61 1670.67,1266.61 1725,1266.61 1725,1196.61 1685,1196.61 1665.67,1211.61 1575.67,1211.61
VCC5V on Top Layer "VCC5V_L01_P006" (solid, remove dead copper, pour order 6): 1030,1255.91 1115,1255.91 1125,1265.91 1185,1265.91 1185,1195.91 1159.13,1195.91 1120,1210.91 1030,1210.91
VCC12V on Top Layer "VCC12V_L01_P005" (solid, remove dead copper, pour order 5): 1575.67,1101.61 1660,1105.91 1670.67,1126.61 1710.67,1126.61 1710.67,1026.61 1665.67,1026.61 1655,1050.91 1575.67,1056.61
VCC12V on Top Layer "VCC12V_L01_P004" (solid, remove dead copper, pour order 4): 1655.67,1341.61 1540.71,1341.61 1520,1320.91 1520,1286.61 1470,1286.61 1470,1350.91 1490.71,1371.61 1655.67,1371.61
VCC12V on Top Layer "VCC12V_L01_P001" (solid, remove dead copper, pour order 1): 1030,1100.91 1115,1105.91 1125,1125.91 1165,1125.91 1165,1025.91 1120,1025.91 1110,1050.91 1030,1055.91
GND on Bottom Layer "GND_L02_P022" (solid, remove dead copper, pour order 22): 1910,2475 1910,-245 -245,-245 -245,2475

## Keep-outs
Keep-Out Layer:
  the board outline again, w10

## Silkscreen, mask and mechanical layers (free items; w line width, h text height)
Top Overlay:
  text "PB10" at 783.26,2340 h20
  text "PA12" at 888.26,2340 h20
  text "PA11" at 992.43,2340 h20
  text "PA8" at 1098.68,2340 h20
  text "PA7" at 1198.68,2340 h20
  text "PA6" at 1298.68,2340 h20
  text "PA5" at 1398.68,2340 h20
  text "PA4" at 1486.18,2340 h20
  text "PC15" at 775.77,2210 h20
  text "PC14" at 893.26,2210 h20
  text "PC13" at 993.26,2210 h20
  text "PC11" at 1093.26,2210 h20
  text "PC10" at 1188.26,2210 h20
  text "PB13" at 1288.26,2210 h20
  text "PB12" at 1388.26,2210 h20
  text "PB11" at 1483.26,2210 h20
  text "GND" at 182.01,2160 h30
  text "CLK" at 287.01,2160 h30
  text "DIO" at 394.51,2160 h30
  text "3V3" at 487.01,2160 h30
  text "5V" at -120,2081.32 h30 r270
  text "树莓派" at 35,2014.88 h80 r270
  text "M1O2" at 903.26,2000 h25
  text "M2O2" at 1151.18,2000 h25
  text "M3O2" at 1406.18,2000 h25
  text "M4O2" at 1656.18,2000 h25
  text "GND" at -120,1982.99 h30 r270
  text "GND" at 1418.68,1905 h25
  text "GND" at 1663.68,1905 h25
  text "GND" at 905.35,1900 h25
  text "GND" at 1163.68,1900 h25
  text "RX" at -120,1867.99 h30 r270
  text "M1EB" at 908.26,1800 h25
  text "M2EB" at 1151.18,1800 h25
  text "M3EB" at 1401.18,1800 h25
  text "M4EB" at 1651.18,1800 h25
  text "TX" at -120,1781.32 h30 r270
  text "M1EA" at 901.18,1700 h25
  text "M2EA" at 1151.18,1700 h25
  text "M3EA" at 1401.18,1700 h25
  text "M4EA" at 1651.18,1700 h25
  text "5V" at 898.69,1600 h25
  text "5V" at 1436.17,1600 h25
  text "5V" at 1181.17,1595 h25
  text "5V" at 1681.17,1595 h25
  text "M1O1" at 908.26,1500 h25
  text "M2O1" at 1160.35,1500 h25
  text "M3O1" at 1410.35,1500 h25
  text "M4O1" at 1660.35,1500 h25
  text "POWER" at 66.7,1490 h30
  text "GREEN" at 92.02,1435 h30
  text "RED" at 78.69,1380 h30
  text "RESET" at -135,1264.74 h70 r270
  text "KEY1" at -135,1085.82 h70 r270
  text "KEY2" at -135,920.99 h70 r270
  text "GND" at 1693.68,880 h25
  text "3V3" at 1488.26,875 h25
  text "5V" at 1606.17,875 h25
  text "开<------->关" at 599.56,40 h90
  text "GND" at 1205,30.06 h80
  text "VCC" at 1400,25 h80
Bottom Overlay:
  drawing of 2111 lines, arcs and shapes, not listed
  text "@Github / fan-ziqi" at 186.12,2345 h140 r180
  text "M4" at 1555.93,2145 h140 r180
  text "M2" at 1062.05,2140 h140 r180
  text "M3" at 1312.25,2140 h140 r180
  text "M1" at 807.39,2135 h140 r180
  text "OUT2" at 1653.05,2040 h80 r180
  text "GND" at 1648.05,1940 h80 r180
  text "EB" at 1643.05,1840 h80 r180
  text "EA" at 1643.05,1740 h80 r180
  text "5V" at 1643.05,1640 h80 r180
  text "OUT1" at 1648.05,1545 h80 r180
  text "FanZiqi" at 319.94,1305.09 h220 r180
  text "ROS" at 1205.43,1301.66 h370 r180
  text "Designed by" at 318.68,1153.06 h130 r180
  text "Ver 2.0" at 13.69,893.56 h160 r180
  text "ROS机器人四电机驱动控制板" at 11.75,682.67 h120 r180
  text "ROS-Controller" at 12.4,480 h260 r180